# KiCad board Jumperless2.kicad_pcb (continued)
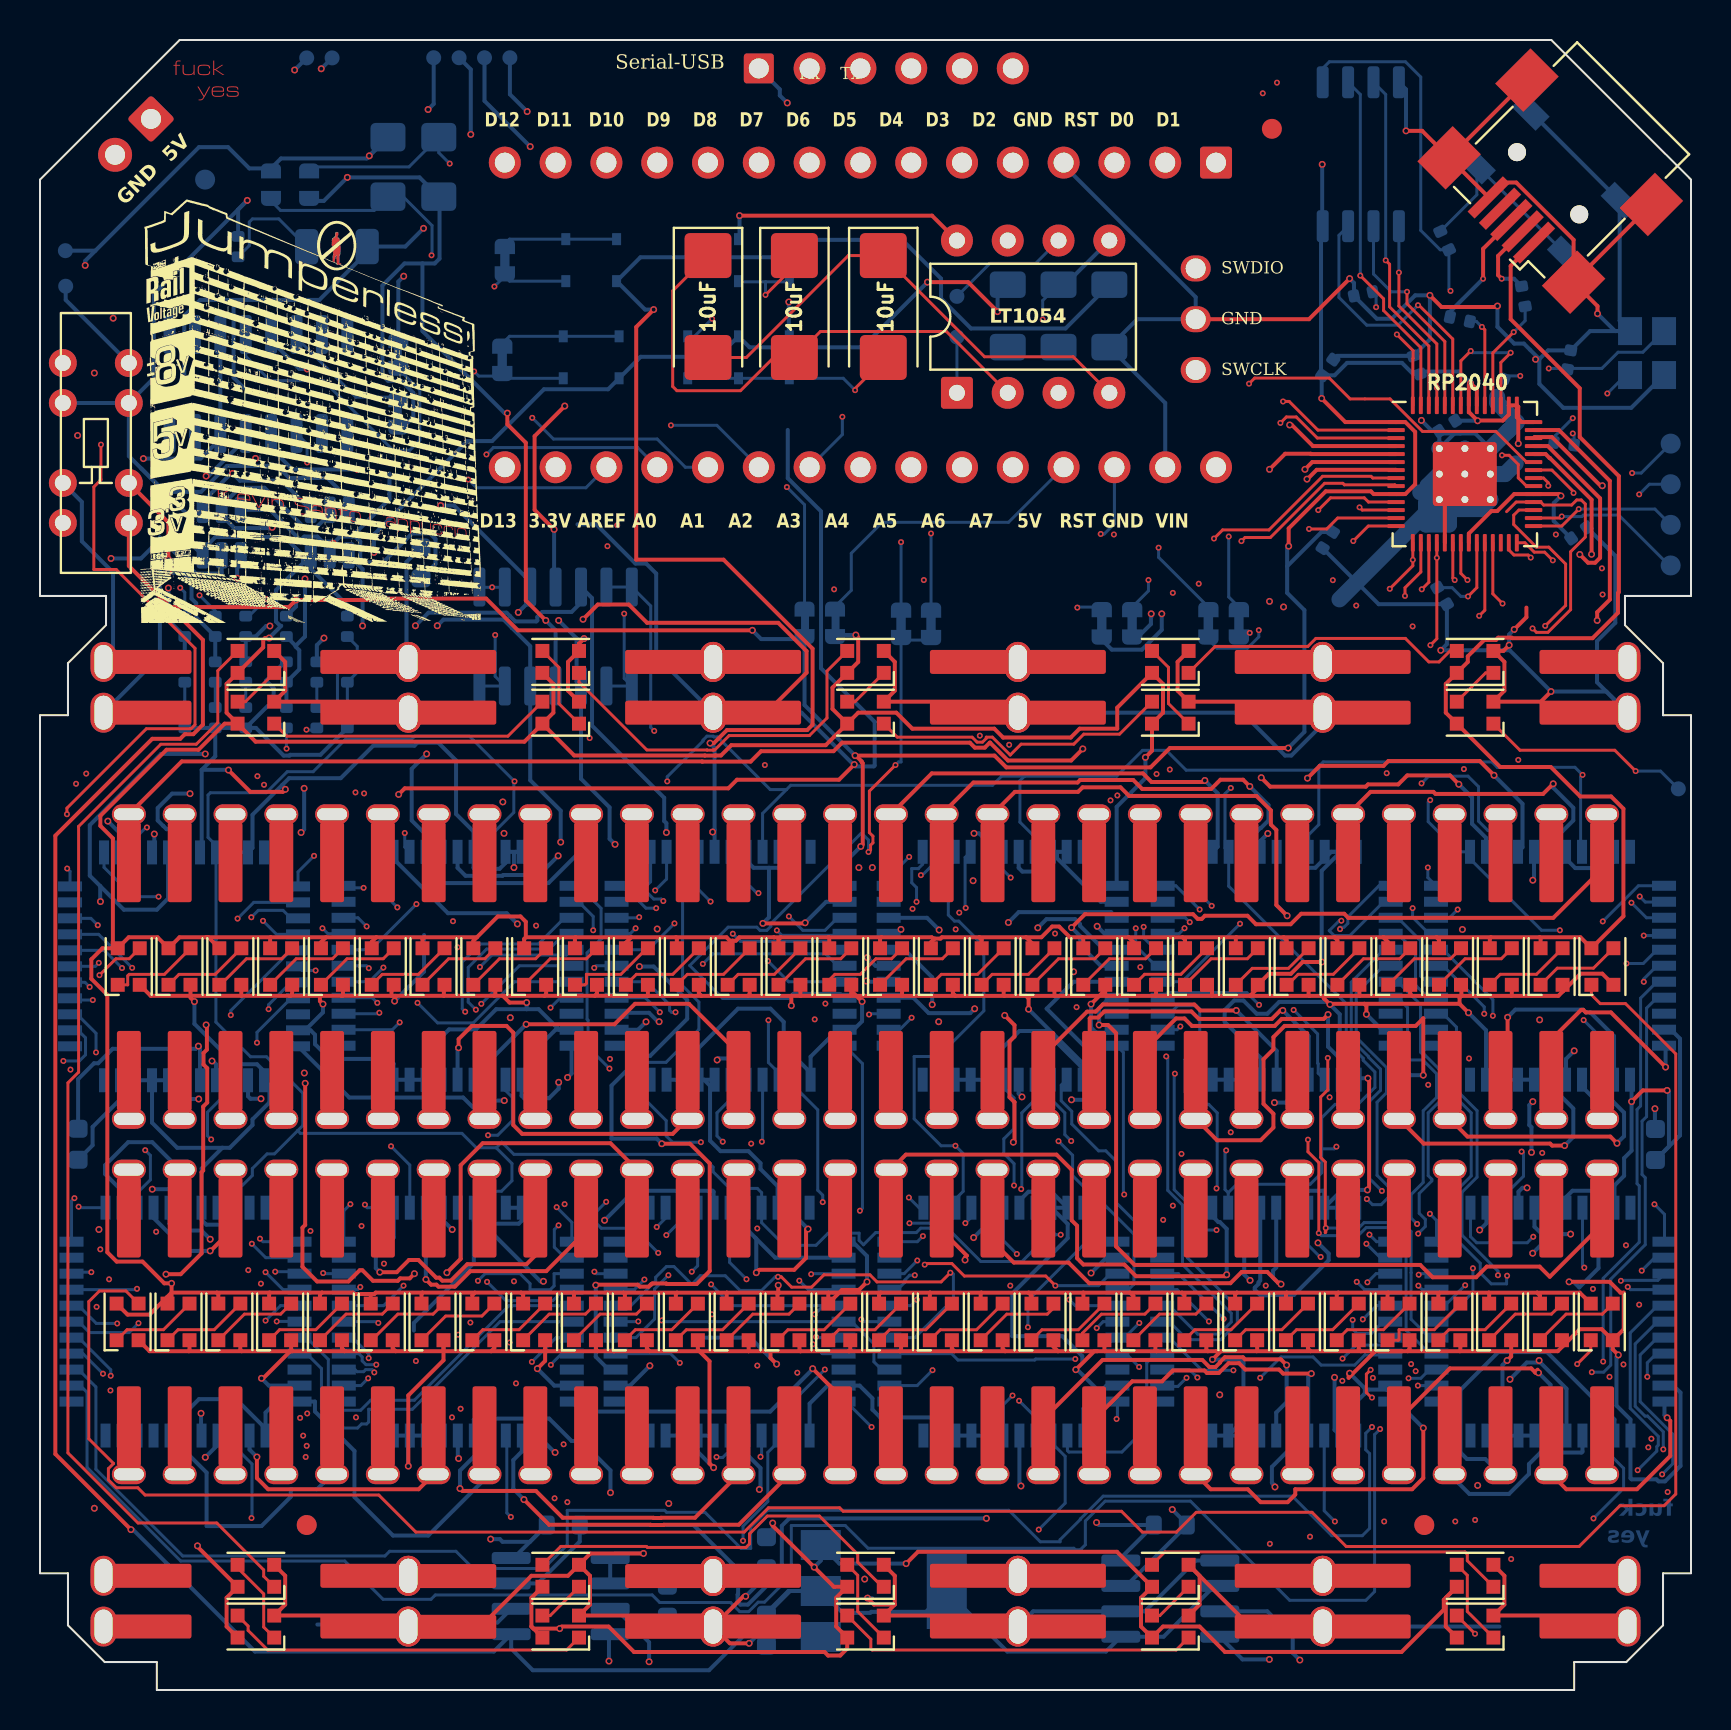
[diagram p0: board, top side]
## Routing (per net, layer and track width the routed paths; a pad name or vN(x,y) marks a point on that pad's centre or on a via; arc(x,y) is an arc through that point) (continued)
Net-(D10-DIN): length 4.4
  Top w0.15: D9.1 25.51,36.58 27.32,36.58 D10.3
Net-(D10-DOUT): length 4.7
  Top w0.15: D10.1 27.25,35.28 27.32,35.35 27.32,35.8 29.04,35.8 30.34,37.11 D11.3
Net-(D11-DOUT): length 4.4
  Top w0.15: D11.1 29.82,35.8 31.64,35.8 D12.3
Net-(D12-DOUT): length 4.4
  Top w0.15: D12.1 32.37,35.8 34.18,35.8 D13.3
Net-(D13-DOUT): length 4.4
  Top w0.15: D14.3 36.72,35.8 34.91,35.8 D13.1
Net-(D14-DOUT): length 4.4
  Top w0.15: D15.3 40.04,36.58 38.28,36.58 36.97,35.28 D14.1
Net-(D15-DOUT): length 4.5
  Top w0.15: D16.3 42.58,36.58 41.79,36.58 41.01,35.8 39.74,35.8 39.46,35.53 D15.1
Net-(D16-DOUT): length 4.4
  Top w0.15: D16.1 43.31,36.58 45.12,36.58 D17.3
Net-(D17-DOUT): length 4.4
  Top w0.15: D18.3 46.88,35.8 45.07,35.8 D17.1
Net-(D18-DOUT): length 4.4
  Top w0.15: D18.1 47.61,35.8 49.42,35.8 D19.3
Net-(D19-DOUT): length 4.4
  Top w0.15: D19.1 50.93,36.58 52.74,36.58 D20.3
Net-(D20-DOUT): length 4.4
  Top w0.15: D20.1 53.47,36.58 55.28,36.58 D21.3
Net-(D21-DOUT): length 4.4
  Top w0.15: D21.1 55.23,35.81 57.05,35.81 D22.3
Net-(D22-DOUT): length 4.4
  Top w0.15: D22.1 58.56,36.59 60.37,36.59 D23.3
Net-(D23-DOUT): length 4.4
  Top w0.15: D23.1 60.62,36.11 62.43,36.11 D24.3
Net-(D24-DOUT): length 4.4
  Top w0.15: D25.3 64.67,35.81 62.91,35.81 62.38,35.28 D24.1
Net-(D25-DOUT): length 4.4
  Top w0.15: D26.3 67.99,36.59 66.18,36.59 D25.1
Net-(D26-DOUT): length 4.2
  Top w0.15: 70.93,36.99 70.53,36.59 68.72,36.59 D26.1
Net-(D27-DOUT): length 4.4
  Top w0.15: D28.3 73.07,36.59 71.26,36.59 D27.1
Net-(D28-DOUT): length 4.4
  Top w0.15: D29.3 74.83,35.81 73.02,35.81 D28.1
Net-(D29-DOUT): length 4.4
  Top w0.15: D29.1 75.86,36.11 77.67,36.11 D30.3
Net-(D30-DOUT): length 123.1
  Top w0.15: D31.3 4.3,19.96 2.97,19.96 2.44,19.43 2.44,12.57 3.67,11.34 3.67,11.32 3.42,11.07 3.42,10.52 3.82,10.12 4.89,10.12 5.25,9.76 16.94,9.76 18.8,7.9 35.2,7.9 36.42,9.12 39.98,9.12 40.16,8.94 54.08,8.94 55.12,7.9 56.82,7.9 57.81,8.89 63.6,8.89 65.31,7.18 76.95,7.18 78.99,9.22 81.2,9.22 81.79,9.8 81.79,31.83 79.27,34.34 78.01,34.34 77.57,34.78 D30.1
Net-(D31-DOUT): length 4.4
  Top w0.15: D32.3 6.17,18.03 4.35,18.03 D31.1
Net-(D32-DOUT): length 4.4
  Top w0.15: D33.3 8.71,18.03 6.9,18.03 D32.1
Net-(D33-DOUT): length 4.4
  Top w0.15: D34.3 12.03,18.81 10.22,18.81 D33.1
Net-(D34-DOUT): length 4.4
  Top w0.15: D35.3 13.79,18.03 11.98,18.03 D34.1
Net-(D35-DOUT): length 4.4
  Top w0.15: D35.1 15.3,18.81 17.11,18.81 D36.3
Net-(D36-DOUT): length 4.4
  Top w0.15: D36.1 16.59,17.5 17.89,18.81 19.65,18.81 D37.3
Net-(D37-DOUT): length 4.4
  Top w0.15: D37.1 20.28,18.71 22.09,18.71 D38.3
Net-(D38-DOUT): length 4.4
  Top w0.15: D39.3 23.95,18.03 22.14,18.03 D38.1
Net-(D39-DOUT): length 4.4
  Top w0.15: D40.3 27.27,18.81 25.46,18.81 D39.1
Net-(D40-DOUT): length 4.4
  Top w0.15: D40.1 28,18.81 29.82,18.81 D41.3
Net-(D41-DOUT): length 4.4
  Top w0.15: D42.3 31.59,18.03 29.77,18.03 D41.1
Net-(D42-DOUT): length 4.4
  Top w0.15: D43.3 34.13,18.02 32.32,18.02 D42.1
Net-(D43-DOUT): length 4.4
  Top w0.15: D44.3 37.45,18.8 35.64,18.8 D43.1
Net-(D44-DOUT): length 4.4
  Top w0.15: D45.3 39.21,18.02 37.4,18.02 D44.1
Net-(D45-DOUT): length 4.4
  Top w0.15: D45.1 39.94,18.02 41.75,18.02 D46.3
Net-(D46-DOUT): length 4.4
  Top w0.15: D47.3 44.29,18.02 42.48,18.02 D46.1
Net-(D47-DOUT): length 4.4
  Top w0.15: D47.1 45.02,18.02 46.83,18.02 D48.3
Net-(D48-DOUT): length 4.3
  Top w0.15: 50.67,19.11 50.37,18.8 48.34,18.8 D48.1
Net-(D49-DOUT): length 4.4
  Top w0.15: D50.3 51.92,18.02 50.1,18.02 D49.1
Net-(D50-DOUT): length 4.6
  Top w0.15: D51.3 55.24,18.8 53.07,18.8 52.12,17.85 D50.1
Net-(D51-DOUT): length 4.4
  Top w0.15: D52.3 57.79,18.81 55.97,18.81 D51.1
Net-(D52-DOUT): length 4.4
  Top w0.15: D53.3 59.55,18.03 57.74,18.03 D52.1
Net-(D53-DOUT): length 4.4
  Top w0.15: D54.3 62.09,18.03 60.28,18.03 D53.1
Net-(D54-DOUT): length 4.4
  Top w0.15: D55.3 64.63,18.03 62.82,18.03 D54.1
Net-(D55-DOUT): length 4.4
  Top w0.15: D55.1 65.36,18.03 67.17,18.03 D56.3
Net-(D56-DOUT): length 4.7
  Top w0.15: D56.1 67.92,17.5 67.95,17.53 67.95,18.03 69.71,18.03 D57.3
Net-(D57-DOUT): length 4.4
  Top w0.15: D57.1 70.44,18.03 72.25,18.03 D58.3
Net-(D58-DOUT): length 4.4
  Top w0.15: D59.3 75.57,18.81 73.76,18.81 D58.1
Net-(D59-DOUT): length 4.4
  Top w0.15: D60.3 78.11,18.81 76.3,18.81 D59.1
Net-(D60-DOUT): length 19.8
  Top w0.15: D60.1 77.54,16.98 v1(76.86,16.31) ; 70.84,3.72 v1(71.75,2.81)
  In2.Cu w0.15: v1(71.75,2.81) 74.26,2.81 76.86,5.41 v1(76.86,16.31)
Net-(D61-A): length 5.2
  Top w0.15: 37.72,71.24 v1(36.28,69.79)
  Bottom w0.15: 36.28,70.45 36.28,70.44 v1(36.28,69.79) ; 36.28,70.45 D61.2 ; 36.28,70.45 34.96,70.45
Net-(D63-K): length 5.7
  Bottom w0.15: JP4.1 23.48,72.58 D64.2 D63.1
Net-(D64-K): length 17.5
  In1.Cu w0.15: v1(19.58,71.78) 21.14,70.21 v1(22.72,70.21)
  Bottom w0.15: JP4.2 23.48,70.48 D64.1 ; JP5.1 12.02,74.02 16.71,74.02 F1.1 ; 23.23,70.72 v1(22.72,70.21) ; 18.16,74.71 19.6,73.27 19.6,71.8 v1(19.58,71.78)
Net-(D65-A): length 10.7
  Top w0.15: 42.16,66.52 40.75,65.11 v1(40.75,65.03)
  Bottom w0.15: v1(40.75,65.03) 40.16,65.62 D68.2 D65.2
Net-(D65-K): length 23.3
  In1.Cu w0.15: v1(50.14,68.56) 50.13,68.56 33.65,68.56 v1(33.61,68.6)
  Bottom w0.15: v1(33.61,68.6) 32.72,67.72 D65.1 ; C4.2 50.14,69.52 v1(50.14,68.56)
  Bottom w0.2: 51.26,70.31 U1.5
Net-(D66-A): length 6
  Bottom w0.15: D66.2 D69.1 23.48,67.72 JP8.2
Net-(D69-A): length 23.9
  In2.Cu w0.15: v1(21.71,65.97) 20.48,67.19 v1(20.48,76.36)
  Bottom w0.15: v1(20.48,76.36) 19.94,76.91 F4.2 18.45,76.2 13.53,76.2 ; v1(21.71,65.97) 21.94,65.74 JP8.1 ; D69.2 23.22,65.62
Net-(D71-DOUT): length 4.4
  Top w0.15: D71.1 71.36,3.93 71.36,5.74 70.84,6.26
Net-(D72-DOUT): length 18.2
  Top w0.15: D73.3 56.24,6.91 71.25,6.91 71.36,6.79 71.36,6.47 D72.1
Net-(D73-DOUT): length 2.4
  Top w0.15: D73.1 55.99,3.72 D74.3
Net-(D74-DOUT): length 18.3
  Top w0.15: D74.1 56.81,2 41.61,2 41.54,2.07 41.54,2.54 D75.3
Net-(D75-DOUT): length 4.4
  Top w0.15: D76.3 40.89,5.74 40.89,3.93 42.19,2.62
Net-(D76-DOUT): length 20.1
  Top w0.15: D77.3 26.04,7.18 30.32,7.18 30.37,7.13 35.3,7.13 35.48,7.31 35.48,7.82 36.36,8.7 38.97,8.7 40.89,6.79 40.89,6.39 42.11,5.16 42.19,5.16
Net-(D77-DOUT): length 2.4
  Top w0.15: D77.1 25.51,3.72 D78.3
Net-(D78-DOUT): length 18.2
  Top w0.15: D79.3 10.41,3.2 10.41,2.98 11.39,2 26.33,2 D78.1
Net-(D79-DOUT): length 4.4
  Top w0.15: D80.3 9.88,6.11 11.19,4.81 11.19,3.15 D79.1
Net-(D80-DOUT): length 57.9
  Top w0.15: D81.3 8.89,50.99 8.89,48.39 7.81,47.32 6.04,47.32 1.93,43.21 1.93,30.91 1.4,30.38 1.4,11.86 4.9,8.36 8.84,8.36 11.18,6.01 11.18,5.69 D80.1
Net-(D81-DOUT): length 2.4
  Top w0.15: D81.1 10.27,49.44 D82.3
Net-(D82-DOUT): length 14.4
  Top w0.15: D82.1 12.34,47.72 23.4,47.72 D83.3
Net-(D83-DOUT): length 4.4
  Top w0.15: D84.3 25.94,51.16 25.94,49.35 D83.1
Net-(D84-DOUT): length 18.7
  Top w0.15: D85.3 39.35,50.97 39.35,48.63 38.47,47.75 34.46,47.75 33.74,47.03 33.66,47.03 33.65,47.02 33.36,47.02 33.35,47.03 30.34,47.03 26.95,50.42 D84.1
Net-(D85-DOUT): length 2.4
  Top w0.15: 42.19,50.88 40.75,49.44 D86.3
Net-(D86-DOUT): length 15.4
  Top w0.15: D87.3 53.98,47.82 52.19,47.82 51.69,47.32 49.05,47.32 48.51,46.78 47.62,47.67 47.31,47.67 47.31,47.61 47.12,47.42 46.86,47.42 46.61,47.67 42.86,47.67 42.19,48.34
Net-(D87-DOUT): length 4.4
  Top w0.15: D88.3 56.42,51.16 56.42,49.35 D87.1
Net-(D88-DOUT): length 14.8
  Top w0.15: 70.84,51.98 70.5,51.98 69.95,51.44 69.44,51.44 68.27,52.61 63.79,52.61 63.39,52.21 58.75,52.21 D88.1
Net-(D89-DOUT): length 2.4
  Top w0.15: 70.84,49.44 72.28,50.88 D89.1
Net-(D90-DOUT): length 10.6
  Top w0.15: v1(79.78,45.97) 78.74,47.02 74,47.02 D90.1
  Bottom w0.15: v1(79.78,45.97) 81.03,45.97 TP15.1
Net-(D91-A): length 5.5
  Bottom w0.15: D91.2 11.94,73.6 10.62,73.6 10.46,73.44 10.46,72.26 R24.1
Net-(JP11-B): length 15.6
  Bottom w0.15: 18.02,66 18.99,65.03 18.99,62.53 18.49,62.03 17.65,62.03 14.17,65.51 11.51,65.51 10.29,66.73 10.29,67.58
Net-(JP12-A): length 6.3
  Bottom w0.15: 12.83,67.65 15.8,64.68 JP12.1
Net-(R11-Pad2): length 1.3
  Bottom w0.15: R11.2 R23.1
Net-(R13-Pad1): length 4
  Bottom w0.15: R18.2 R15.1 15.86,50.91 15.86,52.21 R13.1
Net-(R16-Pad1): length 1.3
  Bottom w0.15: R16.1 R20.2
Net-(R21-Pad1): length 1.3
  Bottom w0.15: R7.2 R21.1
Net-(R22-Pad1): length 1.3
  Bottom w0.15: R9.2 R22.1
Net-(U1-CAP+): length 25.6
  Top w0.15: C2.2 39.02,67.96 45.32,67.96 U1.2 ; 36.69,66.66 35.03,65 31.84,65 31.64,65.21 31.64,70 C3.1
Net-(U1-CAP-): length 25
  Top w0.15: C3.2 35.32,66.66 40.42,71.76 C5.1 47.23,66.7 51.66,66.7 U1.4
Net-(U1-FB/SHDN): length 2.8
  Bottom w0.15: TP5.1 U1.1
Net-(U1-VREF): length 6.2
  Bottom w0.15: U1.6 49.78,71.37 47.5,71.37 TP6.1
Net-(U7A--): length 18.4
  In1.Cu w0.15: v1(22.61,55.17) 22.59,55.19 7.06,55.19 v1(7.01,55.14)
  Bottom w0.15: R6.1 7.24,54.91 v1(7.01,55.14) ; 21.98,55.17 v1(22.61,55.17) 23.23,55.17
Net-(U7B--): length 28.7
  In1.Cu w0.15: v1(12.33,47.1) 12.65,47.42 26.09,47.42 26.65,47.98 v1(30.71,47.98)
  Bottom w0.15: v1(30.71,47.98) 30.54,48.16 30.54,54.24 U7.7 U7.6 ; R17.1 12.32,47.1 v1(12.33,47.1)
Net-(U7C--): length 28.2
  In1.Cu w0.15: v1(29.21,53.85) 28.26,54.79 22.45,54.79 22.3,54.94 8.15,54.94 v1(7.98,54.77)
  Bottom w0.15: U7.9 U7.8 29.21,50.61 v1(29.21,53.85) ; R8.1 8.76,53.98 v1(7.98,54.77)
Net-(U7D--): length 17.8
  In1.Cu w0.15: v1(22.76,52.78) 22.76,53.44 22.56,53.64 12.24,53.64 v1(11.3,54.58)
  Bottom w0.15: 10.45,53.73 v1(11.3,54.58) ; U7.14 U7.13 22.76,50.71 v1(22.76,52.78)
Net-(U9-USB_DM): length 5.6
  Top w0.15: 72.64,64.27 72.64,66.89 v1(73.68,67.93)
  Bottom w0.15: v1(73.68,67.93) 74.26,68.51 R3.2
Net-(U9-USB_DP): length 4.7
  Top w0.15: U9.47 72.24,68.05 v1(72.09,68.19)
  Bottom w0.15: R2.2 71.82,68.47 v1(72.09,68.19)
Net-(U10B--): length 20.2
  In2.Cu w0.15: v1(13.36,61.41) 13.64,61.13 13.64,60.06 13.63,60.05 13.63,59.63 12.99,58.99 12.99,57.27 13.61,56.65 13.61,48.33 v1(13.32,48.04)
  Bottom w0.15: R15.2 14.87,50.94 14.87,49.16 R20.1 ; U10.11 13.36,62.34 v1(13.36,61.41) ; v1(13.32,48.04) 13.34,48.02 13.73,48.02

## Copper pours and planes (outline as drawn; the poured copper is in the pictures)
GND on Top: 9.14,73.96 9.37,73.86 9.37,73.71 13.89,71.78 14,71.6 14.2,71.27 14.63,71.02 15.04,71.02 15.34,71.2 20.14,69.27 20.12,69.09 21.26,68.68 21.23,68.55 21.72,68.35 21.74,66.98 21.69,66.95 21.54,66.93 21.54,66.78 21.67,66.73 21.92,58.42 22.05,56.39 22.12,54.36 22.02,53.49 5.05,53.39 5,56.11 5.51,56.11 5.51,57.73 5.44,57.78 5.41,57.84 5.38,57.91 5.38,58.12 5.51,58.14 5.51,58.55 5.38,58.57 5.41,58.78 5.46,58.9 5.51,58.95 5.51,65.66 5.36,65.71 5.36,65.84 5.51,65.89 5.51,65.96 5.49,65.99 5.49,66.24 5.33,66.22 5.33,66.37 5.49,66.4 5.49,66.67 5.51,66.67 5.51,68.4 5.41,68.4 5.31,69.16 5.51,69.21 5.51,69.32 5.31,69.34 5.31,70.59 5.54,70.66 5.54,71.2 5.26,71.32 5.23,73.2 6.2,73.53 6.2,73.99 6.55,73.89 7.32,74.57 8.43,74.29 8.43,74.27
GND on Top, Bottom: -4.64,84.84 81.59,85 89.08,71.13 92.59,0.85 77.27,-3.93 -6.22,-2.33 -4.95,85.63 -4.95,84.67
GND on Bottom: 71.63,65.81 71.04,65.99 70.33,66.12 69.37,66.14 68.15,66.01 67.39,65.81 66.17,65.25 65.28,64.67 64.49,63.98 63.53,62.66 62.99,61.44 62.66,59.97 62.66,58.88 62.86,57.48 63.3,56.39 64.03,55.12 65,54.18 65.58,53.67 66.55,53.09 67.82,52.65 69.42,52.45 70.46,52.53 71.73,52.81 73.05,53.42 74.04,54.18 74.75,54.89 75.31,55.63 75.87,56.72 76.28,58.17 76.35,59.77 76.05,61.32 75.26,63.02 74.65,63.83 73.91,64.49 73.25,65.02 72.44,65.48

Small or netless copper shapes (teardrops, artwork), in the pictures only: 30 on Top

## Text on the board
Bottom: fuck / yes
B.Silkscreen: JLCJLCJLCJLC | 0 | 1 | 2 | ADC | 3 | DAC | +7V | -7V | CURRENT SENSE | +8V | -8V | NANO  DISCONNECTS | DAC PWR CUTOFF | CUT  FOR  +-7V | D1    D0   RST  GND   D2    D3    D4    D5    D6    D7    D8    D9    D10   D11   D12 | VIN  GND  RST  5V    A7    A6    A5    A4    A3    A2    A1    A0 AREF 3.3V  D13 | GND | 3V3 | Tx | Rx | 5V | V  OUT | 5V 3V | RESET | I^{2}C | SDA SCL | UART | Tx  Rx | 0-5V | +-8V | SWDIO | SWCLK | 0   1 | 16 / 17 / 18 / 19 | GPIO | E | A | F | B | I | J | L | K | G | C | D | H
F.Silkscreen: Rx    Tx | D12   D11   D10    D9    D8    D7    D6    D5    D4    D3    D2   GND  RST  D0    D1 | D13  3.3V AREF A0    A1    A2    A3    A4    A5    A6    A7    5V   RST GND  VIN | GND | 5V
